# Altium PCB Matrix.PcbDoc (part 3 of 4) (continued)
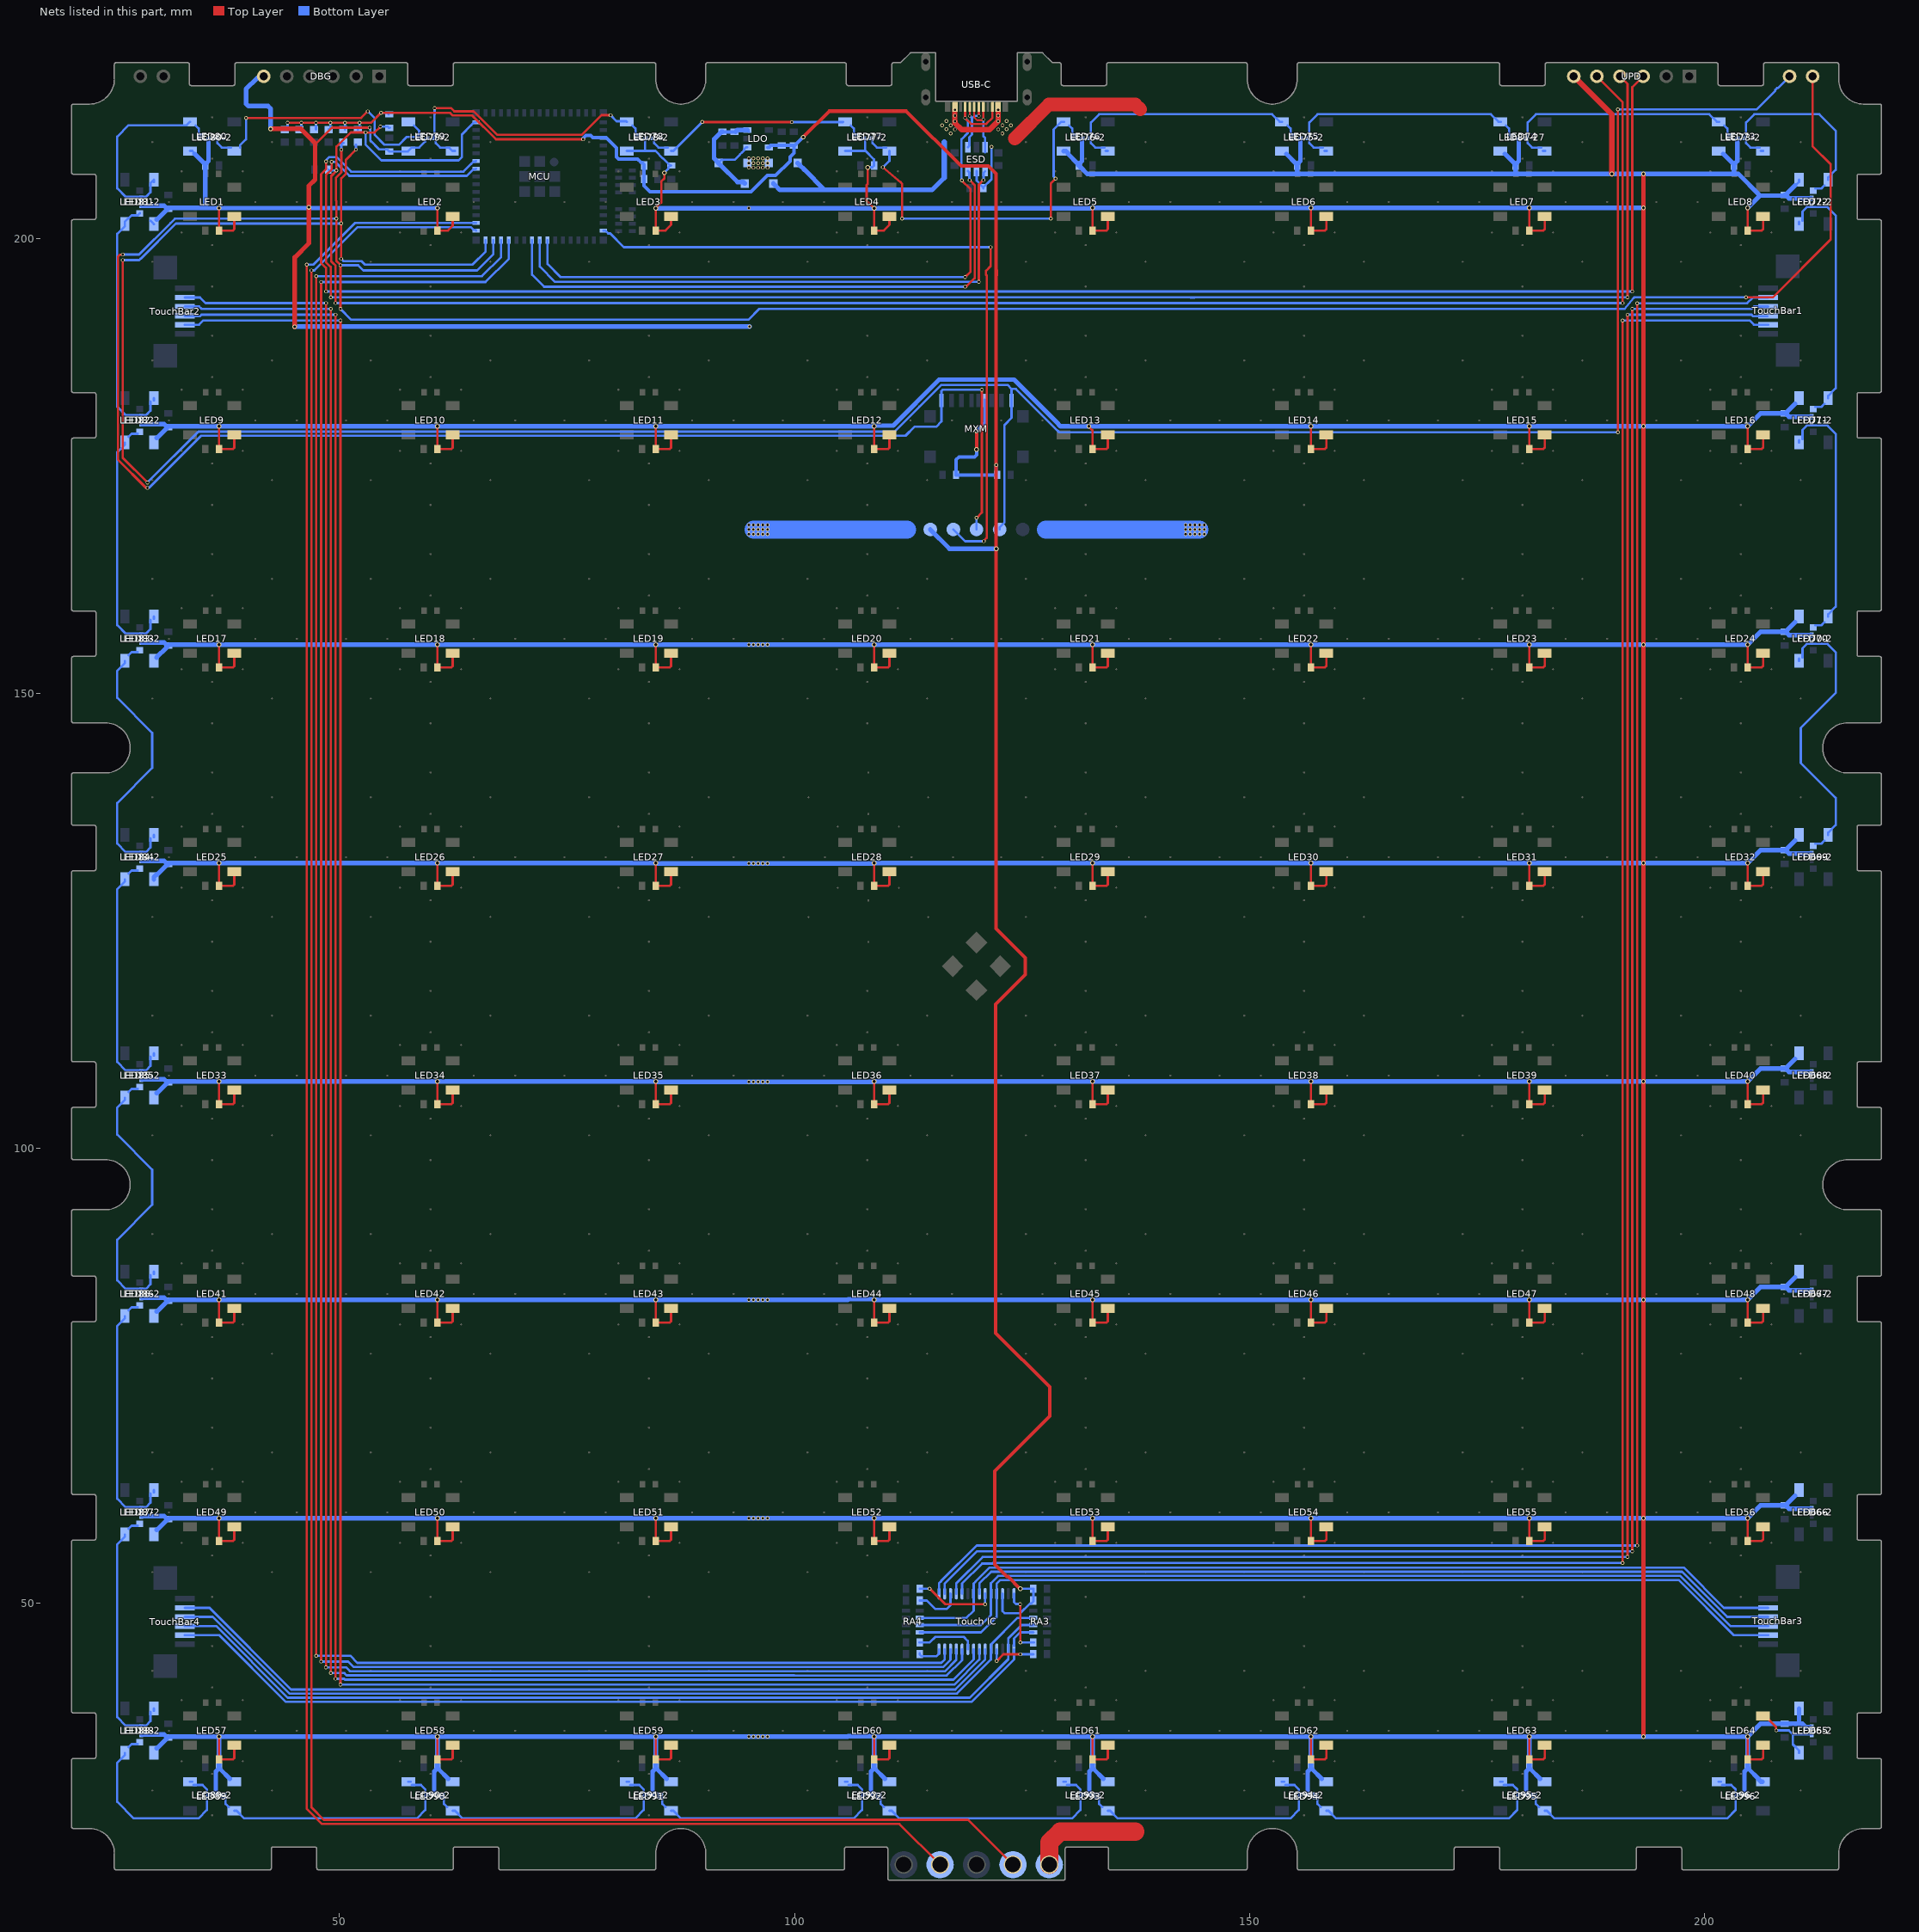
[diagram p3: the nets of this part, all layers, seen from the top]
## Nets (pads, with @x,y where several pads share a name; then routed paths per layer and width w, separated by ;. In a path a pad name is that pad's centre, name@x,y a point inside that pad or via, vN(x,y) a via of type N, cw(c..) or ccw(c..) an arc to the next point about the centre after c; other vN are vias at no path point) (continued)
  Top Layer w0.254: v1(191,54.449) v1@191,190.967
  Bottom Layer w0.254: 118.412,51.05 118.412,52.172 120.613,54.372 121.747,54.372 121.823,54.449 v1(191,54.449) ; v1@191.009,190.976 204.954,190.976 205.43,190.5 TouchBar1.5@207,190.5
  other v1: 191.009,190.976
Touch8: "Touch IC.21" RA4.3 TouchBar3.2 | length 99.1
  Bottom Layer w0.254: RA4.3@113.75,48.4 118.899,48.4 119.682,49.184 119.682,51.05 119.682,52.172 119.863,52.353 119.863,52.36 120.968,53.464 121.422,53.918 197.719,53.918 202.137,49.5 TouchBar3.2@207,49.5
Touch9: "Touch IC.22" TouchBar3.3 | length 90.4
  Bottom Layer w0.254: 120.317,51.05 120.317,52.172 121.61,53.464 197.531,53.464 202.495,48.5 TouchBar3.3@207,48.5
Touch10: "Touch IC.24" RA4.2 TouchBar3.4 | length 99.8
  Bottom Layer w0.254: RA4.2@113.75,47.6 120.5,47.6 121.587,48.687 121.587,51.05 121.587,52.207 122.391,53.01 197.343,53.01 202.853,47.5 TouchBar3.4@207,47.5
Touch11: "Touch IC.25" RA4.1 TouchBar3.5 | length 100.3
  Bottom Layer w0.254: RA4.1@113.75,46.8 120.5,46.8 122.228,48.528 122.228,50.116 122.222,50.122 122.222,52.172 122.607,52.556 197.155,52.556 203.211,46.5 TouchBar3.5@207,46.5
Touch12: "Touch IC.11" TouchBar2.5 | length 236.8
  Top Layer w0.254: v1(48.496,42.963) 48.504,42.971 v1(48.504,192.88)
  Bottom Layer w0.254: TouchBar2.5@33.007,193.493 TouchBar2.5@33,193.5 34.664,193.5 35.285,192.88 v1(48.504,192.88) ; v1(48.496,42.963) 50.712,42.963 51.14,42.536 100.147,42.536 100.165,42.518 116.509,42.518 117.777,43.786 117.777,44.95
Touch13: "Touch IC.10" TouchBar2.4 | length 237.5
  Top Layer w0.254: v1(49.026,42.329) 49.034,42.337 49.034,191.831 v1(49.034,192.246)
  Bottom Layer w0.254: TouchBar2.4@33,192.5 34.572,192.5 34.826,192.246 v1(49.034,192.246) ; v1(49.026,42.329) 50.521,42.329 50.768,42.082 99.959,42.082 99.977,42.064 116.727,42.064 118.412,43.749 118.412,44.95
Touch14: "Touch IC.8" TouchBar2.3 | length 238.8
  Top Layer w0.254: v1(49.556,41.694) 49.564,41.702 49.564,191.196 v1(49.564,191.611)
  Bottom Layer w0.254: TouchBar2.3@33,191.5 33.067,191.433 34.644,191.433 34.822,191.611 v1(49.564,191.611) ; v1(49.556,41.694) 50.513,41.694 50.597,41.61 117.464,41.61 119.682,43.829 119.682,44.95
Touch15: "Touch IC.7" TouchBar2.2 | length 239.7
  Top Layer w0.254: v1(50.095,41.06) v1@50.095,190.976
  Bottom Layer w0.254: TouchBar2.2@33,190.5 34.57,190.5 35.046,190.976 v1(50.095,190.976) ; v1(50.095,41.06) 117.556,41.06 120.317,43.821 120.317,44.95
TouchClock: "Touch IC.13" MCU.28 | length 245.3
  Top Layer w0.254: v1(47.444,44.233) v1(47.444,195.84)
  Bottom Layer w0.254: v1(47.444,44.233) 51.165,44.233 51.955,43.444 116.123,43.444 116.507,43.829 116.507,44.95 ; v1(47.444,195.84) 65.64,195.84 67.75,197.95 MCU.28@67.75,199.8
TouchData: "Touch IC.12" MCU.27 | length 246.2
  Top Layer w0.254: v1(47.974,43.598) v1(47.974,195.205)
  Bottom Layer w0.254: v1(47.974,43.598) 50.947,43.598 51.555,42.99 116.339,42.99 117.142,43.793 117.142,44.95 ; v1(47.974,195.205) 66.042,195.205 68.6,197.763 MCU.27@68.6,199.8
TX0: MCU.39 UPD.4 | length 199.3
  Top Layer w0.254: v1(49.034,193.515) 49.034,196.859 48.504,197.389 48.504,206.946 49.135,207.577 v1(49.135,208.402) ; UPD.4@190.72,217.8 191.54,216.98 191.54,193.93 ; v1(191.54,193.515) 191.54,193.929
  Bottom Layer w0.254: v1(49.034,193.515) 143.507,193.515 143.521,193.501 143.96,193.501 143.974,193.515 v1(191.54,193.515) ; v1(49.135,208.402) 49.544,208.402 51.079,206.866 63.994,206.866 64.705,207.577 64.927,207.577 MCU.39@65,207.65
TX1: MCU.32 P4.4 pad.@116,21.277 | length 262.4
  Top Layer w0.254: v1@46.383,197.179 46.383,27.442 48.079,25.746 111.531,25.746 P4.4@116,21.277
  Bottom Layer w0.254: v1(46.383,197.109) 47.143,197.109 51.731,201.697 64.997,201.697 MCU.32@65,201.7
Underglow: LED64.2 LED65-2.4 LED65.4 | length 8.7
  Top Layer w0.254: LED64.2@206.438,37.6 206.689,37.6 207.871,36.418 207.871,36.064 v1(207.9,36.035)
  Bottom Layer w0.254: v1(207.9,36.035) 209.277,36.035 209.712,35.6 ; LED65.4@210.4,33.562 210.4,33.812 209.712,34.499 209.712,35.6 ; LED65-2.4@211.8,35.6 209.712,35.6
USB+: ESD.6 MCU.24 | length 65.5
  Top Layer w0.254: v1(118.75,194.68) 118.791,194.68 118.832,194.72 118.896,194.72 119.796,195.62 119.796,205.851 v1(119.25,206.397)
  Bottom Layer w0.254: MCU.24@71.15,199.8 71.15,196.006 72.477,194.68 v1(118.75,194.68) ; ESD.6@119.05,207.4 119.223,207.227 119.223,206.424 119.224,206.423 v1@119.25,206.423
USB-: ESD.4 MCU.23 | length 64.3
  Top Layer w0.254: v1(120.25,195.23) 120.25,205.897 v1@120.774,206.421
  Bottom Layer w0.254: MCU.23@72,199.8 72,196.897 73.687,195.21 120.229,195.21 v1(120.25,195.23) ; v1@120.777,206.421 120.777,207.191 ESD.4@120.95,207.364
  other v1: 120.75,206.397
VBUS: C1.2 ESD.5 P1.1 pad.1 pad.@128,21.277 PD1.1 PD3.1 USB-C.A4 USB-C.A9 | length 87.7
  Top Layer w0.56: v1(117.62,212.866) v1(117.62,213.482) v1(117.62,214.118) ; v1(122.38,212.866) v1(122.38,213.482) v1(122.38,214.118)
  Top Layer w0.6: v1@117.64,212.866 117.64,212.662 118.368,211.935 121.438,211.935 v1@122.37,212.866
  Top Layer w1.5: 124.199,210.959 127.953,214.713 137.446,214.713 137.994,214.165
  Top Layer w2: P1.1@128,21.277 128,23.728 129.172,24.9 137.444,24.9
  Bottom Layer w0.254: ESD.5@120,207.4 120.017,207.382 120.017,206.332 C1.2@120.75,205.6 ; C1.2@120.75,205.5 C1.2@120.75,205.6 ; v1(121.653,210.062) 121.643,210.052 121.643,207.465 121.648,207.46 121.648,206.498 C1.2@120.75,205.6
  Bottom Layer w0.512: PD3.1@97.674,206.022 PD3.1@97.674,206 97.674,205.997 97.868,205.803 97.893,205.803 98.384,205.312 103.31,205.312 ; PD1.1@100.35,208.247 100.544,208.053 100.569,208.053 101.06,207.562 103.31,205.312 ; 116.458,206.665 115.106,205.312 103.31,205.312
  Bottom Layer w0.635: 116.458,206.665 116.458,210.55
  Bottom Layer w2: pad.1@127.62,168 v1(142.976,168) v1(143.488,168) v1(144,168) v1@144.5,168
  other v1: 142.976,167.488 143.488,167.488 144,167.488 144.512,167.488 145.024,167.488 144.512,168 145.024,168 142.976,168.512 143.488,168.512 144,168.512 144.512,168.512 145.024,168.512 117.155,211.519 122.845,211.519 117.62,211.975 122.38,211.975 116.699,211.984 123.301,211.984 116.228,212.42 117.15,212.41 122.85,212.41 123.772,212.42 116.684,212.876 123.316,212.876
VDEVICE: "Touch IC.26" C2.2 C3.2 C6.2 C7.2 C8.1 C9.1 LDO.5 MCU.3 MXM.4 pad.6 R5.1 R6.1 R7.1 R8.1 R9.1 R10.1 R11.1 TC1.2 TC2.2 | length 297.1
  Top Layer w0.254: v1(44.293,212.689) 44.296,212.692 v1@45.797,212.692 ; v1(45.8,212.695) 47.2,212.695 v1@48.8,212.695 ; v1@48.843,212.695 50.4,212.695 v1(50.6,212.695) 52,212.695 v1(52.2,212.695) 53.465,212.695 v1(54.556,213.786) 62.134,213.786 62.209,213.712 62.417,213.504 64.556,213.504 67.185,210.874 v1(76.758,210.874)
  Top Layer w0.381: v2(100.953,211.119) 103.809,213.975 112.29,213.975 118.309,207.956 121.308,207.956 122.15,207.114 122.15,196.484 122.17,196.464 122.17,195.972 122.15,195.953 122.15,179.141 122.163,179.129 v1(122.163,175.082) 122.16,175.08 122.16,165.894 v2@122.15,165.884 ; v2@120.004,176.793 v2(120.004,178.844) ; v2(122.157,165.884) 122.15,165.877 122.15,124.131 125.356,120.926 125.356,119.074 122.118,115.837 122.118,79.704 128.051,73.771 128.051,70.576 122.003,64.529 122.003,54.258 123.32,52.941 123.459,52.941 v2(124.8,51.6)
  Bottom Layer w0.254: R11.1@44.2,211.96 44.293,212.053 v1(44.293,212.689) ; R10.1@45.8,211.96 v1(45.8,212.695) ; R9.1@47.4,211.96 v1(47.4,212.695) ; R8.1@49,211.96 v1(49,212.695) ; R7.1@50.6,211.96 v1(50.6,212.695) ; R6.1@52,211.96 52.2,212.16 v1(52.2,212.695) ; v1(54.556,213.786) 55.221,213.786 R5.1@55.384,213.622 ; 122.857,51.05 122.856,51.051 122.856,49.133 123.073,48.916 124.817,48.916 125.878,49.977 126.027,49.977 126.25,50.2 TC2.2@126.25,50.3 TC1.2@126.25,51.5 ; v2(124.8,51.6) TC1.2@126.25,51.6
  Bottom Layer w0.381: v1(76.758,210.874) 76.763,210.879 76.763,210.967 77.095,211.298 77.586,211.298 77.835,211.05 MCU.3@79,211.05 79.302,211.05 80.421,209.932 80.421,208.938 80.649,208.709 82.761,208.709 83.147,208.323 83.247,208.323 83.47,208.1 C6.2@83.47,208 83.465,207.995 83.465,206.505 C7.2@83.46,206.5 83.46,205.759 84.096,205.124 95.239,205.124 97.01,206.895 97.915,206.895 99.51,208.49 99.51,208.909 99.523,208.923 99.523,208.938 99.936,209.35 C2.2@99.936,210.2 ; LDO.5@97.075,210 LDO.5@97.2,210 97.398,210.198 97.67,210.198 97.672,210.2 C3.2@98.583,210.2 C2.2@99.936,210.2 ; v2(100.953,211.119) 100.953,211.117 100.036,210.2 C2.2@99.936,210.2 ; v2(120.004,178.844) 120.9,179.74 MXM.4@120.9,182.185 ; v2(120.011,176.786) 120.011,176.208 119.788,175.985 118.072,175.985 117.75,175.663 C9.1@117.75,174 C8.1@122.11,174 ; C8.1@122.09,173.9 122.11,173.919 C8.1@122.11,174 ; v1(122.163,175.082) 122.163,174.143 122.11,174.089 C8.1@122.11,174
  Bottom Layer w0.508: pad.6@114.92,168 117.036,165.884 v2(122.157,165.884)
VLDO: C4.1 C5.1 LDO.1 LDO.3 PD2.2 PD3.2 | length 14.9
  Bottom Layer w0.254: PD2.2@91.649,208.298 91.971,208.62 92.112,208.62 92.12,208.627 93.427,208.627 93.999,209.199 93.999,209.222 94.211,209.434 94.234,209.434 94.477,209.677 94.477,209.802 94.675,210 LDO.1@94.8,210 ; LDO.3@94.8,211.9 LDO.3@94.998,211.702
  Bottom Layer w0.381: C5.1@92.064,211.7 C4.1@93.417,211.7 C4.1@93.517,211.7
  Bottom Layer w0.508: PD2.2@91.648,208.272 91.648,208.247 91.844,208.051 91.869,208.051 93.729,206.191 94.354,206.191 PD3.2@94.524,206.022
  Bottom Layer w0.512: PD2.2@91.649,208.298 91.158,208.789 91.158,210.894 91.964,211.7 C5.1@92.064,211.7 ; C4.1@93.517,211.7 93.717,211.9 LDO.3@94.8,211.9
VSYS: DBG.6 LC1.2 LC2.2 LC3.2 LC4.2 LC5.2 LC6.2 LC7.2 LC8.2 LC9.2 LC10.2 LC11.2 LC12.2 LC13.2 LC14.2 LC15.2 LC16.2 LC17.2 LC18.2 LC19.2 LC20.2 LC21.2 LC22.2 LC23.2 LC24.2 LC25.2 LC26.2 LC27.2 LC28.2 LC29.2 LC30.2 LC31.2 LC32.2 LC33.2 LC34.2 LC35.2 LC36.2 LC37.2 LC38.2 LC39.2 LC40.2 LC41.2 LC42.2 LC43.2 LC44.2 LC45.2 LC46.2 LC47.2 LC48.2 LC49.2 LC50.2 LC51.2 LC52.2 LC53.2 LC54.2 LC55.2 LC56.2 LC57.2 LC58.2 LC59.2 LC60.2 LC61.2 LC62.2 LC63.2 LC64.2 LC65.2 LC66.2 LC67.2 LC68.2 LC69.2 LC70.2 LC71.2 LC72.2 LC73.2 LC74.2 LC75.2 LC76.2 LC77.2 LC78.2 LC79.2 LC80.2 LC81.2 LC82.2 LC83.2 LC84.2 LC85.2 LC86.2 LC87.2 LC88.2 LC89.2 LC90.2 LC91.2 LC92.2 LC93.2 LC94.2 LC95.2 LC96.2 LED1.1 LED2.1 LED3.1 LED4.1 LED5.1 LED6.1 LED7.1 LED8.1 LED9.1 LED10.1 LED11.1 LED12.1 LED13.1 LED14.1 LED15.1 LED16.1 LED17.1 LED18.1 LED19.1 LED20.1 LED21.1 LED22.1 LED23.1 LED24.1 LED25.1 LED26.1 LED27.1 LED28.1 LED29.1 LED30.1 LED31.1 LED32.1 LED33.1 LED34.1 LED35.1 LED36.1 LED37.1 LED38.1 LED39.1 LED40.1 LED41.1 LED42.1 LED43.1 LED44.1 LED45.1 LED46.1 LED47.1 LED48.1 LED49.1 LED50.1 LED51.1 LED52.1 LED53.1 LED54.1 LED55.1 LED56.1 LED57.1 LED58.1 LED59.1 LED60.1 LED61.1 LED62.1 LED63.1 LED64.1 LED65-2.1 LED65.1 LED66-2.1 LED66.1 LED67-2.1 LED67.1 LED68-2.1 LED68.1 LED69-2.1 LED69.1 LED70-2.1 LED70.1 LED71-2.1 LED71.1 LED72-2.1 LED72.1 LED73-2.1 LED73.1 LED74.1 LED75-2.1 LED75.1 LED76-2.1 LED76.1 LED77-2.1 LED77.1 LED78-2.1 LED78.1 LED79-2.1 LED79.1 LED80-2.1 LED80.1 LED81-2.1 LED81-27.1 LED81.1 LED82-2.1 LED82.1 LED83-2.1 LED83.1 LED84-2.1 LED84.1 LED85-2.1 LED85.1 LED86-2.1 LED86.1 LED87-2.1 LED87.1 LED88-2.1 LED88.1 LED89-2.1 LED89.1 LED90-2.1 LED90.1 LED91-2.1 LED91.1 LED92-2.1 LED92.1 LED93-2.1 LED93.1 LED94-2.1 LED94.1 LED95-2.1 LED95.1 LED96-2.1 LED96.1 pad.7 PD1.2 PD2.1 UPD.6 | length 2321.6
  Top Layer w0.254: v2(36.75,35.343) LC57.2@36.75,32.85 38.29,32.85 38.438,32.999 LED57.1@38.438,34.4 ; v2(36.75,59.343) LC49.2@36.75,56.85 38.29,56.85 38.438,56.999 LED49.1@38.438,58.4 ; v2(36.75,83.343) LC41.2@36.75,80.85 38.29,80.85 38.438,80.999 LED41.1@38.438,82.4 ; v2(36.75,107.343) LC33.2@36.75,104.85 38.29,104.85 38.438,104.999 LED33.1@38.438,106.4 ; v2(36.75,131.343) LC25.2@36.75,128.85 38.29,128.85 38.438,128.999 LED25.1@38.438,130.4 ; v2(36.75,155.343) LC17.2@36.75,152.85 38.29,152.85 38.438,152.999 LED17.1@38.438,154.4 ; v2(36.75,179.343) LC9.2@36.75,176.85 38.29,176.85 38.438,176.999 LED9.1@38.438,178.4 ; v2(36.75,203.326) LC1.2@36.75,200.85 38.29,200.85 38.438,200.999 LED1.1@38.438,202.4 ; 47.315,210.322 49.157,212.165 50.38,212.165 50.385,212.16 v1@53.313,212.16 ; v2(60.748,203.326) 60.749,203.325 LC2.2@60.75,200.85 LC2.2@60.75,200.85 61.918,200.85 62.438,201.37 LED2.1@62.438,202.4 ; v2(60.75,35.343) LC58.2@60.75,32.85 62.29,32.85 62.438,32.999 LED58.1@62.438,34.4 ; v2(60.75,59.343) LC50.2@60.75,56.85 62.29,56.85 62.438,56.999 LED50.1@62.438,58.4 ; v2(60.75,83.343) LC42.2@60.75,80.85 62.29,80.85 62.438,80.999 LED42.1@62.438,82.4 ; v2(60.75,107.343) LC34.2@60.75,104.85 62.29,104.85 62.438,104.999 LED34.1@62.438,106.4 ; v2(60.75,131.343) LC26.2@60.75,128.85 62.29,128.85 62.438,128.999 LED26.1@62.438,130.4 ; v2(60.75,155.343) LC18.2@60.75,152.85 62.29,152.85 62.438,152.999 LED18.1@62.438,154.4 ; v2(60.75,179.343) LC10.2@60.75,176.85 62.29,176.85 62.438,176.999 LED10.1@62.438,178.4 ; v2(84.75,35.343) LC59.2@84.75,32.85 86.29,32.85 86.438,32.999 LED59.1@86.438,34.4 ; v2(84.75,59.343) LC51.2@84.75,56.85 86.29,56.85 86.438,56.999 LED51.1@86.438,58.4 ; v2(84.75,83.343) LC43.2@84.75,80.85 86.29,80.85 86.438,80.999 LED43.1@86.438,82.4 ; v2(84.75,107.343) LC35.2@84.75,104.85 86.29,104.85 86.438,104.999 LED35.1@86.438,106.4 ; v2(84.75,131.343) LC27.2@84.75,128.85 86.29,128.85 86.438,128.999 LED27.1@86.438,130.4 ; v2(84.75,155.343) LC19.2@84.75,152.85 86.29,152.85 86.438,152.999 LED19.1@86.438,154.4 ; v2(84.75,179.343) LC11.2@84.75,176.85 86.29,176.85 86.438,176.999 LED11.1@86.438,178.4 ; LC3.2@84.75,200.852 v2@84.75,203.313 ; v2(84.75,203.315) 85.361,203.926 85.361,206.236 85.684,206.56 85.684,207.186 v2(85.693,207.195) ; LC3.2@84.752,200.852 LC3.2@84.75,200.85 85.808,200.85 86.438,201.48 LED3.1@86.438,202.4 ; v2(108.054,207.804) 108.054,205.989 107.933,205.869 107.933,204.123 v2(108.75,203.306) LC4.2@108.75,200.85 109.808,200.85 110.438,201.48 LED4.1@110.438,202.4 ; v2(108.75,35.343) LC60.2@108.75,32.85 110.29,32.85 110.438,32.999 LED60.1@110.438,34.4 ; v2(108.75,59.343) LC52.2@108.75,56.85 110.29,56.85 110.438,56.999 LED52.1@110.438,58.4 ; v2(108.75,83.343) LC44.2@108.75,80.85 110.29,80.85 110.438,80.999 LED44.1@110.438,82.4 ; v2(108.75,107.343) LC36.2@108.75,104.85 110.29,104.85 110.438,104.999 LED36.1@110.438,106.4 ; v2(108.75,131.343) LC28.2@108.75,128.85 110.29,128.85 110.438,128.999 LED28.1@110.438,130.4 ; v2(108.75,155.343) LC20.2@108.75,152.85 110.29,152.85 110.438,152.999 LED20.1@110.438,154.4 ; v2(108.75,179.343) LC12.2@108.75,176.85 110.29,176.85 110.438,176.999 LED12.1@110.438,178.4 ; v2(132.35,179.363) 132.35,179.294 132.75,178.894 LC13.2@132.75,176.85 134.29,176.85 134.438,176.999 LED13.1@134.438,178.4 ; v2(132.75,35.343) LC61.2@132.75,32.85 134.29,32.85 134.438,32.999 LED61.1@134.438,34.4 ; v2(132.75,59.343) LC53.2@132.75,56.85 134.29,56.85 134.438,56.999 LED53.1@134.438,58.4 ; v2(132.75,83.343) LC45.2@132.75,80.85 134.29,80.85 134.438,80.999 LED45.1@134.438,82.4 ; v2(132.75,107.343) LC37.2@132.75,104.85 134.29,104.85 134.438,104.999 LED37.1@134.438,106.4 ; v2(132.75,131.343) LC29.2@132.75,128.85 134.29,128.85 134.438,128.999 LED29.1@134.438,130.4 ; v2(132.75,155.343) LC21.2@132.75,152.85 134.29,152.85 134.438,152.999 LED21.1@134.438,154.4 ; v2(132.75,203.343) LC5.2@132.75,200.85 134.29,200.85 134.438,200.999 LED5.1@134.438,202.4 ; v2(156.75,35.343) LC62.2@156.75,32.85 158.29,32.85 158.438,32.999 LED62.1@158.438,34.4 ; v2(156.75,59.343) LC54.2@156.75,56.85 158.29,56.85 158.438,56.999 LED54.1@158.438,58.4 ; v2(156.75,83.343) LC46.2@156.75,80.85 158.29,80.85 158.438,80.999 LED46.1@158.438,82.4 ; v2(156.75,107.343) LC38.2@156.75,104.85 158.29,104.85 158.438,104.999 LED38.1@158.438,106.4 ; v2(156.75,131.343) LC30.2@156.75,128.85 158.29,128.85 158.438,128.999 LED30.1@158.438,130.4 ; v2(156.75,155.343) LC22.2@156.75,152.85 158.29,152.85 158.438,152.999 LED22.1@158.438,154.4 ; v2(156.75,179.343) LC14.2@156.75,176.85 158.29,176.85 158.438,176.999 LED14.1@158.438,178.4 ; v2(156.75,203.343) LC6.2@156.75,200.85 158.29,200.85 158.438,200.999 LED6.1@158.438,202.4 ; v2(180.75,35.343) LC63.2@180.75,32.85 182.29,32.85 182.438,32.999 LED63.1@182.438,34.4 ; v2(180.75,59.343) LC55.2@180.75,56.85 182.29,56.85 182.438,56.999 LED55.1@182.438,58.4 ; v2(180.75,83.343) LC47.2@180.75,80.85 182.29,80.85 182.438,80.999 LED47.1@182.438,82.4 ; v2(180.75,107.343) LC39.2@180.75,104.85 182.29,104.85 182.438,104.999 LED39.1@182.438,106.4 ; v2(180.75,131.343) LC31.2@180.75,128.85 182.29,128.85 182.438,128.999 LED31.1@182.438,130.4 ; v2(180.75,155.343) LC23.2@180.75,152.85 182.29,152.85 182.438,152.999 LED23.1@182.438,154.4 ; v2(180.75,179.343) LC15.2@180.75,176.85 182.29,176.85 182.438,176.999 LED15.1@182.438,178.4 ; v2(180.75,203.343) LC7.2@180.75,200.85 182.29,200.85 182.438,200.999 LED7.1@182.438,202.4 ; v2(204.75,35.343) LC64.2@204.75,32.85 206.29,32.85 206.438,32.999 LED64.1@206.438,34.4 ; v2(204.75,59.343) LC56.2@204.75,56.85 206.29,56.85 206.438,56.999 LED56.1@206.438,58.4 ; v2(204.75,83.343) LC48.2@204.75,80.85 206.29,80.85 206.438,80.999 LED48.1@206.438,82.4 ; v2(204.75,107.343) LC40.2@204.75,104.85 206.29,104.85 206.438,104.999 LED40.1@206.438,106.4 ; v2(204.75,131.343) LC32.2@204.75,128.85 206.29,128.85 206.438,128.999 LED32.1@206.438,130.4 ; v2(204.75,155.343) LC24.2@204.75,152.85 206.29,152.85 206.438,152.999 LED24.1@206.438,154.4 ; v2(204.75,179.343) LC16.2@204.75,176.85 206.29,176.85 206.438,176.999 LED16.1@206.438,178.4 ; v2(204.75,203.343) LC8.2@204.75,200.85 206.29,200.85 206.438,200.999 LED8.1@206.438,202.4
  Top Layer w0.508: v2(193.3,35.343) v2(193.3,59.343) v2(193.3,83.343) v2(193.3,107.343) v2(193.3,131.343) v2(193.3,155.343) v2(193.3,179.343) v2(193.3,203.343) v2(193.3,207.08)
  Top Layer w0.512: v2(42.428,212.022) 45.772,212.022 47.315,210.479 47.315,210.322 47.315,206.455 46.628,205.768 v2(46.628,203.41) 46.628,199.451 45.082,197.905 v2(45.082,190.279)
  Top Layer w0.635: UPD.6@185.64,217.8 189.826,213.614 v2(189.826,207.08)
  Bottom Layer w0.254: LED81.1@29.227,201.935 LED81.1@29.6,201.562 ; LC88.2@31.2,35.25 LC88.2@31.293,35.343 ; LED80.1@33.562,209.6 33.812,209.6 34.185,209.226 LED80.1@34.185,209.165 ; v1(53.313,212.16) 53.313,212.119 53.389,212.042 53.389,210.748 54.378,209.76 55.245,209.76 55.468,209.537 57.499,209.537 LED79.1@57.562,209.6 57.935,209.973 58.761,209.973 59.427,210.64 59.427,210.902 59.525,211 LED79-2.1@59.6,211 ; LED78.1@81.562,209.6 83.574,209.6 ; LED78-2.1@83.583,210.971 83.583,209.609 83.574,209.6 ; v2(85.693,207.195) 86.115,207.617 86.115,207.777 LC78.2@86.338,208 ; LC78.2@86.438,208 LC78.2@86.338,208 ; LED77.1@105.562,209.6 107.809,209.6 ; LED77-2.1@107.6,211 107.675,211 107.773,210.902 107.773,210.753 107.773,209.636 107.809,209.6 ; v2(108.054,207.804) 108.554,207.804 LC77.2@108.75,208 108.726,208.024 108.726,208.682 107.809,209.6 ; 155.236,207.094 155.25,207.08 ; LED96.1@206.35,30.4 LED96.1@206.438,30.4 ; LC72.2@208.8,204.75 LC72.2@208.9,204.75 ; LED72.1@209.965,205.815 210.026,205.815 210.4,206.188 LED72.1@210.4,206.438 ; 83.574,209.6 84.725,209.6 85.552,208.772 85.566,208.772 LC78.2@86.338,208
  Bottom Layer w0.508: LED88-2.1@28.298,35.6 30.706,35.6 LC88.2@30.96,35.346 ; LED87-2.1@28.298,59.6 30.706,59.6 LC87.2@30.96,59.346 ; LED86-2.1@28.298,83.6 30.706,83.6 LC86.2@30.96,83.346 ; LED85-2.1@28.298,107.6 30.706,107.6 LC85.2@30.96,107.346 ; LED84-2.1@28.298,131.6 30.706,131.6 LC84.2@30.96,131.346 ; LED83-2.1@28.298,155.6 30.706,155.6 LC83.2@30.96,155.346 ; LED82-2.1@28.298,179.6 30.706,179.6 LC82.2@30.96,179.346 ; LED81-2.1@28.298,203.6 30.706,203.6 30.96,203.346 31.104,203.346 LC81.2@31.2,203.25 31.293,203.343 35.298,203.343 ; LED84.1@29.6,129.562 29.6,129.812 29.847,130.058 29.908,130.058 31.004,131.154 31.104,131.154 LC84.2@31.2,131.25 ; LED83.1@29.9,153.945 LC83.2@30.996,155.041 ; LED88.1@29.908,34.058 LC88.2@31.004,35.154 ; LED87.1@29.908,58.058 LC87.2@31.004,59.154 ; LED86.1@29.908,82.058 LC86.2@31.004,83.154 ; LED85.1@29.908,106.058 LC85.2@31.004,107.154 ; LED82.1@29.908,178.058 LC82.2@31.004,179.154 ; LED81.1@29.908,202.058 LC81.2@31.004,203.154 ; LC87.2@31.2,59.25 31.293,59.343 v2(36.75,59.343) v2(60.75,59.343) v2(84.75,59.343) v2(108.75,59.343) v2(132.75,59.343) 144.925,59.343 v2(156.75,59.343) v2(180.75,59.343) v2(193.3,59.343) v2(204.75,59.343) 206.157,60.75 LC66.2@208.8,60.75 ; LC86.2@31.2,83.25 31.293,83.343 v2(36.75,83.343) v2(60.75,83.343) v2(84.75,83.343) 86.166,83.343 105.834,83.343 105.91,83.419 108.674,83.419 v2(108.75,83.343) v2(132.75,83.343) 144.925,83.343 v2(156.75,83.343) v2(180.75,83.343) v2(193.3,83.343) v2(204.75,83.343) 206.157,84.75 LC67.2@208.8,84.75 ; LC85.2@31.2,107.343 v2(36.75,107.343) v2(60.75,107.343) v2(84.75,107.343) 84.793,107.3 108.707,107.3 v2(108.75,107.343) v2(132.75,107.343) 144.925,107.343 v2(156.75,107.343) v2(180.75,107.343) v2(193.3,107.343) v2(204.75,107.343) 206.157,108.75 LC68.2@208.8,108.75 ; LC84.2@31.2,131.343 v2(36.75,131.343) v2(60.75,131.343) v2(84.75,131.343) 84.793,131.3 108.707,131.3 v2(108.75,131.343) v2(132.75,131.343) 144.925,131.343 v2(156.75,131.343) v2(180.75,131.343) v2(193.3,131.343) v2(204.75,131.343) 206.157,132.75 LC69.2@208.8,132.75 ; LC83.2@31.2,155.25 31.293,155.343 v2(36.75,155.343) v2(60.75,155.343) v2(84.75,155.343) v2(108.75,155.343) v2(132.75,155.343) 144.925,155.343 v2(156.75,155.343) v2(180.75,155.343) v2(193.3,155.343) v2(204.75,155.343) 206.157,156.75 LC70.2@208.8,156.75 ; LC82.2@31.2,179.343 v2(36.75,179.343) v2(60.75,179.343) v2(84.75,179.343) v2(108.75,179.343) 108.827,179.419 110.835,179.419 115.887,184.471 124.113,184.471 128.741,179.843 129.241,179.343 130.81,179.343 130.83,179.363 v2(132.35,179.363) 132.37,179.343 v2(156.75,179.343) v2(180.75,179.343) v2(193.3,179.343) v2(204.75,179.343) 206.157,180.75 LC71.2@208.8,180.75 ; LC88.2@31.293,35.343 v2(36.75,35.343) ; LED80.1@34.072,209.278 34.185,209.165 LC80.2@35.154,208.196 ; LC80.2@35.25,208 35.25,203.39 35.298,203.343 ; LC80.2@35.346,208.24 35.6,208.494 LED80-2.1@35.6,210.902 ; LED89-2.1@36.4,29.098 36.4,31.506 LC89.2@36.654,31.76 ; LC89.2@36.75,32.089 v2(36.75,35.343) ; LC89.2@36.846,31.804 LED89.1@37.942,30.708 ; LED90-2.1@60.4,29.098 60.4,31.506 LC90.2@60.654,31.76 ; v2(60.748,203.326) 46.712,203.326 v2(46.628,203.41) 46.544,203.326 v2(36.75,203.326) 35.314,203.326 35.298,203.343 ; LC90.2@60.75,32.089 v2(60.75,35.343) ; LC90.2@60.846,31.804 LED90.1@61.942,30.708 ; LED91-2.1@84.4,29.098 84.4,31.506 LC91.2@84.654,31.76 ; LC91.2@84.75,32.089 v2(84.75,35.343) ; v2(84.75,203.315) 84.751,203.314 v1(94.976,203.314) 108.743,203.314 v2(108.75,203.306) 132.714,203.306 v2(132.75,203.343) v2(156.75,203.343) v2(180.75,203.343) 190.356,203.343 v2(193.3,203.343) ; LC91.2@84.846,31.804 LED91.1@85.942,30.708 ; LED92-2.1@108.4,29.098 108.4,31.506 LC92.2@108.654,31.76 ; LC92.2@108.75,32.089 v2(108.75,35.343) ; LC92.2@108.846,31.804 LED92.1@109.942,30.708 ; LED76.1@129.562,209.6 129.812,209.6 130.058,209.353 130.058,209.278 131.14,208.196 131.14,208.096 LC76.2@131.236,208 ; LC76.2@131.346,208.24 131.6,208.494 LED76-2.1@131.6,210.902 ; LC76.2@131.432,207.804 132.156,207.08 155.25,207.08 179.25,207.08 v2(189.826,207.08) v2(193.3,207.08) 203.72,207.08 206.104,204.696 ; LED93-2.1@132.4,29.098 132.4,31.506 LC93.2@132.654,31.76 ; LC93.2@132.75,32.089 v2(132.75,35.343) ; LC93.2@132.846,31.804 LED93.1@133.942,30.708 ; LED75.1@154.058,209.278 LC75.2@155.14,208.196 ; 155.236,207.094 LC75.2@155.236,208 ; LC75.2@155.346,208.24 155.6,208.494 LED75-2.1@155.6,210.902 ; LED94-2.1@156.4,29.098 156.4,31.506 LC94.2@156.654,31.76 ; LC94.2@156.75,32.089 v2(156.75,35.343) ; LC94.2@156.846,31.804 LED94.1@157.942,30.708 ; LED74.1@178.072,209.278 179.154,208.196 179.161,208.189 LC74.2@179.161,208 ; 179.25,207.094 LC74.2@179.25,208 ; LC74.2@179.346,208.24 179.6,208.494 LED81-27.1@179.6,210.902 ; LED95-2.1@180.4,29.098 180.4,31.506 LC95.2@180.654,31.76 ; LC95.2@180.75,32.089 v2(180.75,35.343) ; LC95.2@180.846,31.804 LED95.1@181.942,30.708 ; LED73.1@202.072,209.278 LC73.2@203.154,208.196 ; 203.25,207.094 LC73.2@203.25,208 ; LC73.2@203.346,208.24 203.6,208.494 LED73-2.1@203.6,210.902 ; LED96-2.1@204.4,29.098 204.4,31.506 LC96.2@204.654,31.76 ; LC96.2@204.75,32 204.846,31.904 204.846,31.804 205.942,30.708 205.942,30.647 206.188,30.4 LED96.1@206.35,30.4 ; LC96.2@204.75,32.089 v2(204.75,35.343) ; v2(204.75,203.343) 206.104,204.696 ; LC72.2@208.8,204.75 208.746,204.696 206.104,204.696 ; LC66.2@208.9,60.75 LED66.1@209.965,61.815 ; LC67.2@208.9,84.75 LED67.1@209.965,85.815 ; LC68.2@208.9,108.75 LED68.1@209.965,109.815 ; LC69.2@208.9,132.75 LED69.1@209.965,133.815 ; LC70.2@208.9,156.75 LED70.1@209.965,157.815 ; LC71.2@208.9,180.75 LED71.1@209.965,181.815 ; LC72.2@208.9,204.75 LED72.1@209.965,205.815 ; LC66.2@209.04,60.654 209.294,60.4 LED66-2.1@211.702,60.4 ; LC67.2@209.04,84.654 209.294,84.4 LED67-2.1@211.702,84.4 ; LC68.2@209.04,108.654 209.294,108.4 LED68-2.1@211.702,108.4 ; LC69.2@209.04,132.654 209.294,132.4 LED69-2.1@211.702,132.4 ; LC70.2@209.04,156.654 209.294,156.4 LED70-2.1@211.702,156.4 ; LC71.2@209.04,180.654 209.294,180.4 LED71-2.1@211.702,180.4 ; LC72.2@209.04,204.654 209.294,204.4 LED72-2.1@211.702,204.4 ; LED65.1@210.4,38.438 210.4,36.75 ; LED65-2.1@211.594,36.4 211.127,36.4 210.777,36.75 210.4,36.75 ; v2(36.75,35.343) v2(60.75,35.343) ; v2(60.75,35.343) v2(84.75,35.343) ; v2(84.75,35.343) 86.166,35.343 v1(94.976,35.343) v1(95.488,35.343) v1(96,35.343) v1(96.512,35.343) v1(97.024,35.343) 105.834,35.343 105.891,35.4 108.693,35.4 v2(108.75,35.343) ; v2(108.75,35.343) v2(132.75,35.343) ; v2(132.75,35.343) 144.925,35.343 v2(156.75,35.343) ; v2(156.75,35.343) v2(180.75,35.343) ; v2(180.75,35.343) v2(193.3,35.343) v2(204.75,35.343) ; v2(204.75,35.343) 206.157,36.75 LC65.2@208.8,36.75 210.4,36.75
  Bottom Layer w0.512: DBG.6@41.66,217.8 41.471,217.611 40.946,217.611 39.721,216.386 39.721,214.79 39.988,214.523 42.128,214.523 42.428,214.223 v2(42.428,212.022) ; v2(45.082,190.279) 45.099,190.296 v1(95.04,190.296)
  Bottom Layer w2: v1@95.5,168 v1(96,168) v1(96.512,168) v1(97.024,168) pad.7@112.38,168
  other v1: 94.976,59.343 95.488,59.343 96,59.343 96.512,59.343 97.024,59.343 94.976,83.343 95.488,83.343 96,83.343 96.512,83.343 97.024,83.343 94.976,107.3 95.488,107.3 96,107.3 96.512,107.3 97.024,107.3 94.976,131.3 95.488,131.3 96,131.3 96.512,131.3 97.024,131.3 94.976,155.343 95.488,155.343 96,155.343 96.512,155.343 97.024,155.343 94.976,167.488 95.488,167.488 96,167.488 96.512,167.488 97.024,167.488 94.976,168 95.488,168 94.976,168.512 95.488,168.512 96,168.512 96.512,168.512 97.024,168.512 94.976,207.76 95.488,207.76 96,207.76 96.512,207.76 97.024,207.76 94.976,208.272 95.488,208.272 96,208.272 96.512,208.272 97.024,208.272 94.976,208.784 95.488,208.784 96,208.784 96.512,208.784 97.024,208.784
pads on no net: "Matrix Key.1"@117.384,120 "Matrix Key.2"@122.616,120 "Touch IC.3" ESD.1@119.1,208.7 LDO.4 LED96-2.2 LED96.2

## Polygon pours and split planes (outlines as drawn)
GND on Top Layer "GND_L01_P019" (solid, remove dead copper, pour order 19): 356 vertices, not listed, extent 20.55,19.57 219.45,220.4
VBUS on Top Layer "VBUS_L01_P013" (solid, pour order 13): 117.263,213.451 116.549,213.451 115.5,212.401 118.12,209.781 124.137,209.781 127.651,213.401 122.766,213.401 122.38,213.788 122.393,212.657 121.701,211.965 118.301,211.899 117.55,212.65 117.6,213.788
no net on Top Layer "NONET_L01_P027" (solid, pour order 27): 119.936,80.753 112.5,73.317 112.5,69.985 119.967,62.518 120.952,63.504 120.952,65.273 127.124,71.445 127.124,73.494 120.272,80.346 120.272,80.48
VBUS on Top Layer "VBUS_L01_P018" (solid, pour order 18): 130.294,213.85 127.22,213.85 128.484,215.05 130.316,215.05
GND on Bottom Layer "GND_L02_P026" (solid, remove dead copper, pour order 26): 356 vertices, not listed, extent 20.55,19.57 219.45,220.4
VBUS on Bottom Layer "VBUS_L02_P022" (solid, pour order 22): 122.722,210.941 121.253,210.941 121.253,214.35 122.672,214.35 124.5,212.552
VBUS on Bottom Layer "VBUS_L02_P021" (solid, pour order 21): 99.831,206.65 99.831,204.55 115.029,204.55 116.823,206.421 116.823,210.411 118.248,211.836 118.248,214.341 116.99,214.341 109.699,207.05 100.556,207.05
VBUS on Bottom Layer "VBUS_L02_P016" (solid, pour order 16): 122.407,214.341 117.584,214.341 117.584,212.733 117.63,212.686 122.405,212.686
VDEVICE on Bottom Layer "VDEVICE_L02_P025" (solid, pour order 25): 100.4,210.173 100.399,210.173 100.399,208.772 100.372,208.772 97.224,205.624 97.224,204.53 94.524,204.53 94.524,207.45 97.405,207.45 97.405,207.684 96.718,208.885 96.718,210.55 100.272,210.55 100.399,210.423
VBUS on Bottom Layer "VBUS_L02_P024" (solid, pour order 24): 100.78,208.738 100.338,208.738 97.224,205.608 97.224,204.53 100.907,204.53 104.96,204.558
VLDO on Bottom Layer "VLDO_L02_P023" (solid, pour order 23): 94.966,205.5 94.966,208.967 95.239,209.24 95.239,210.09 94.506,210.09 93.036,208.62 91.114,208.583 91.114,207.653 93.29,205.478 93.623,205.478